# Altium PCB BW1098OAK.PcbDoc (part 3 of 3)
Units mm, origin at the board's own origin, x right, y up, seen from the top; angles counter-clockwise.
Board outline 100 x 46 mm, 4 copper layers (Top Copper, Signal Layer 1, Layer 1, Bottom Layer), stack 1.602 mm thick; 158 components, 124 nets, 594 pads, 384 vias.
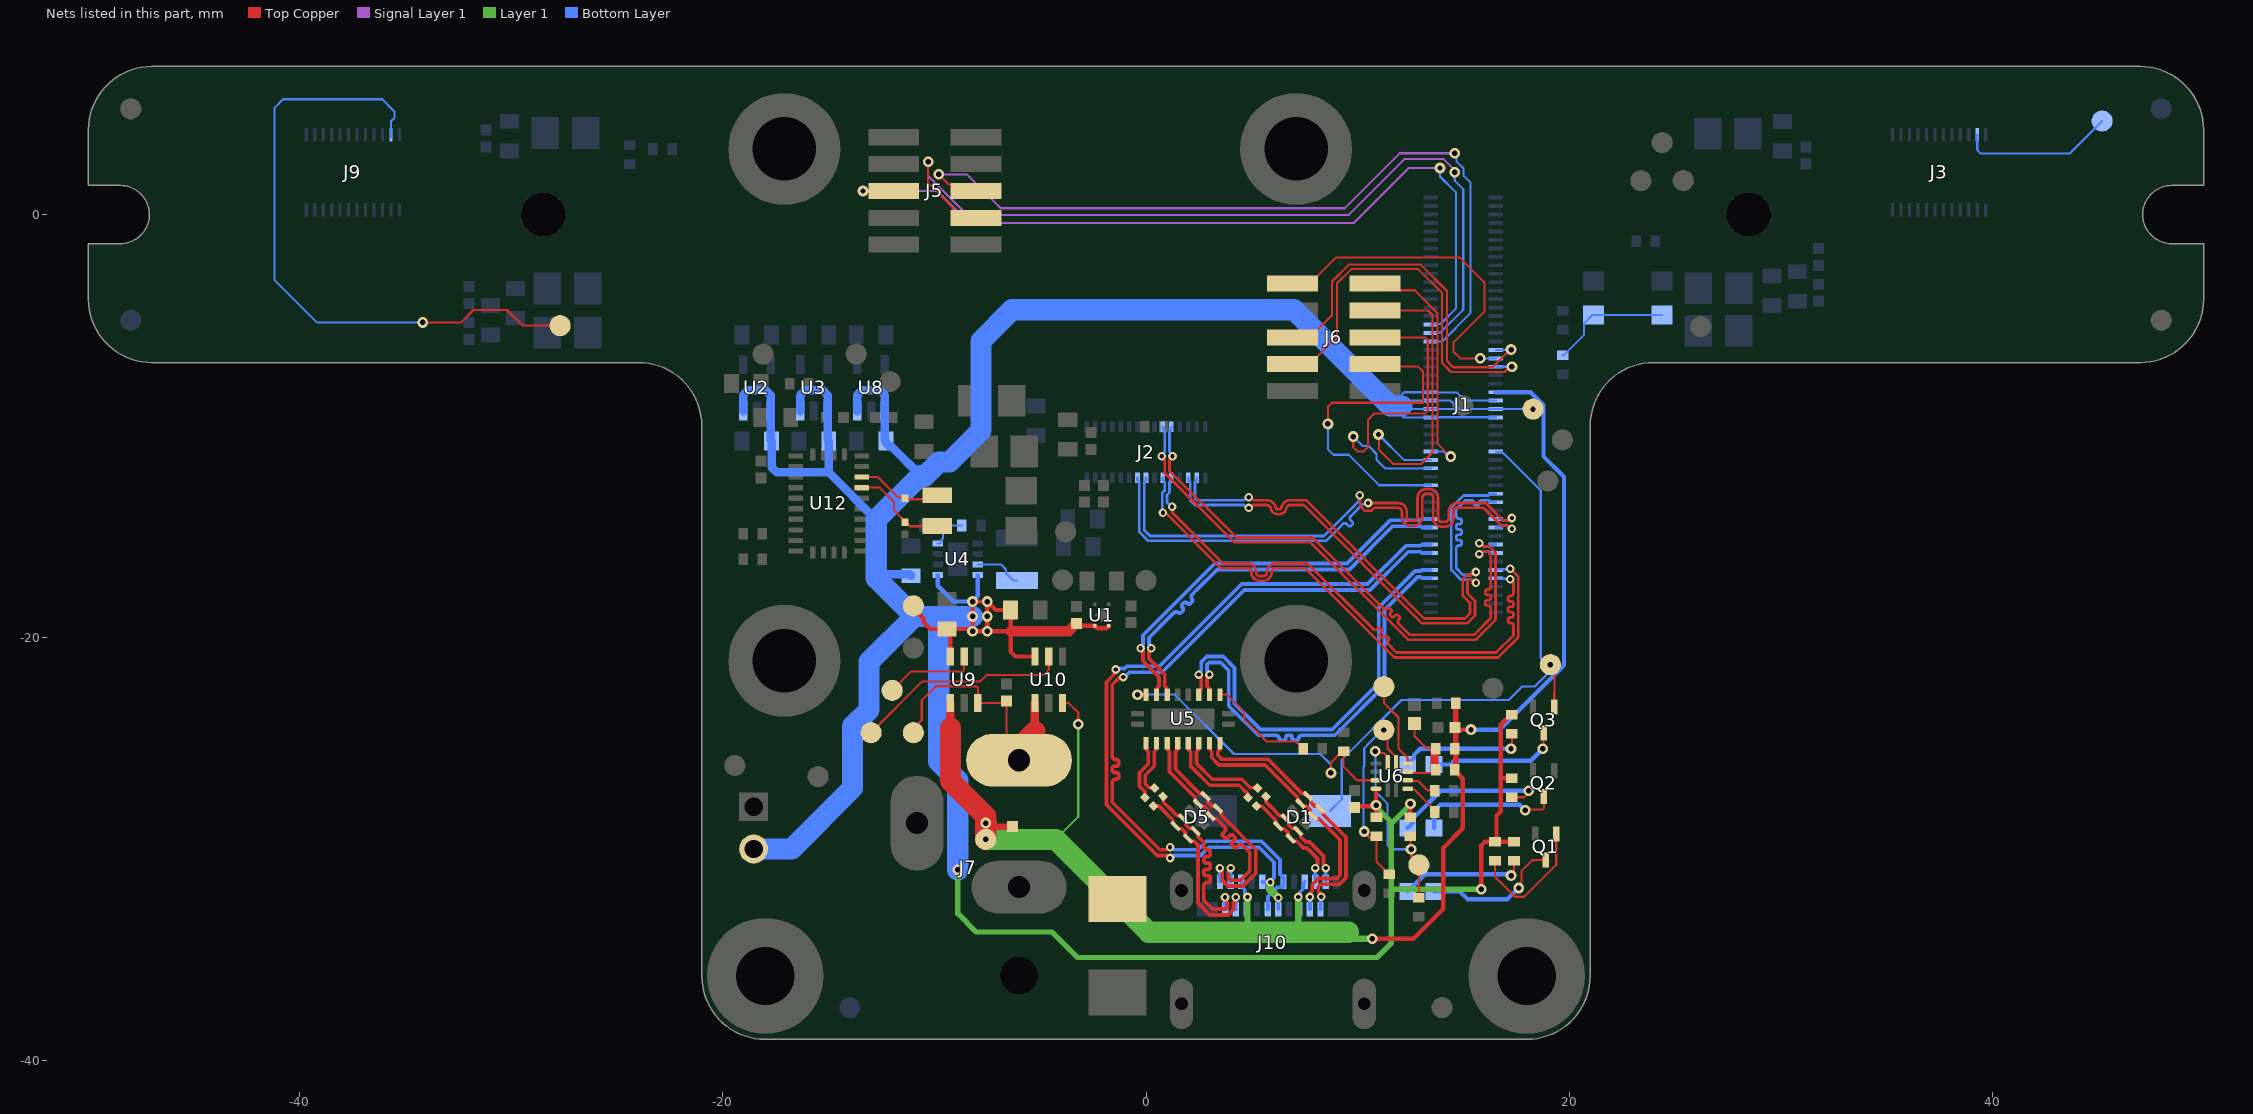
[diagram p5: the nets of this part, all layers, seen from the top]

## Via types
v1: diameter 0.508, hole 0.254, Top Copper to Bottom Layer, tented both sides, 235 vias
v2: diameter 0.406, hole 0.203, Top Copper to Bottom Layer, tented both sides, 131 vias
v3: diameter 0.508, hole 0.254, Top Copper to Bottom Layer, 16 vias
v4: diameter 0.406, hole 0.203, Top Copper to Bottom Layer, 2 vias

## Nets (pads, with @x,y where several pads share a name; then routed paths per layer and width w, separated by ;. In a path a pad name is that pad's centre, name@x,y a point inside that pad or via, vN(x,y) a via of type N, cw(c..) or ccw(c..) an arc to the next point about the centre after c; other vN are vias at no path point) (continued)
MIPI_RX4_D0_N: J1.9 J2.5 | length 26.8
  Top Copper w0.127: v2(1.233,-13.817) 1.253,-13.837 1.253,-14.1 3.651,-16.499 4.228,-16.499 4.801,-16.499 cw(c4.801,-16.905) 5.207,-16.905 5.207,-16.912 ccw(c5.385,-16.912) 5.385,-17.089 5.538,-17.089 ccw(c5.538,-16.912) 5.715,-16.912 5.715,-16.905 cw(c6.122,-16.905) 6.122,-16.499 6.3,-16.499 7.64,-16.499 10.696,-19.556 10.741,-19.6 ccw(c10.831,-19.511) 10.921,-19.6 10.955,-19.567 cw(c11.018,-19.63) 11.08,-19.567 11.134,-19.621 cw(c11.071,-19.683) 11.134,-19.746 11.074,-19.807 ccw(c11.137,-19.87) 11.074,-19.933 11.128,-19.987 ccw(c11.19,-19.924) 11.253,-19.987 11.28,-19.96 cw(c11.343,-20.022) 11.406,-19.96 11.46,-20.014 cw(c11.397,-20.076) 11.46,-20.139 ccw(c11.55,-20.229) 11.46,-20.319 11.596,-20.455 11.641,-20.5 11.853,-20.712 16.557,-20.712 17.371,-19.897 17.371,-19.499 17.371,-19.436 ccw(c17.244,-19.436) 17.244,-19.309 17.206,-19.309 cw(c17.206,-19.22) 17.117,-19.22 17.117,-19.144 cw(c17.206,-19.144) 17.206,-19.055 17.283,-19.055 ccw(c17.283,-18.966) 17.371,-18.966 17.371,-18.89 ccw(c17.283,-18.89) 17.283,-18.801 17.206,-18.801 cw(c17.206,-18.712) 17.117,-18.712 17.117,-18.636 cw(c17.206,-18.636) 17.206,-18.547 17.283,-18.547 ccw(c17.283,-18.458) 17.371,-18.458 17.371,-18.382 ccw(c17.283,-18.382) 17.283,-18.293 17.206,-18.293 cw(c17.206,-18.204) 17.117,-18.204 17.117,-18.128 cw(c17.206,-18.128) 17.206,-18.039 17.244,-18.039 ccw(c17.244,-17.912) 17.371,-17.912 17.371,-17.545 17.371,-17.398 v2(17.223,-17.25)
  Bottom Layer w0.127: J2.5@1.2,-12.438 1.2,-12.578 1.114,-12.664 1.114,-13.136 0.995,-13.255 0.995,-13.604 1.209,-13.817 v2(1.233,-13.817) ; J1.9@16.54,-17.2 16.565,-17.225 17.198,-17.225 v2(17.223,-17.25)
MIPI_RX4_D0_P: J1.11 J2.6 | length 26.6
  Top Copper w0.127: v2(0.8,-14.1) 0.853,-14.153 0.982,-14.153 3.556,-16.727 4.228,-16.727 4.801,-16.727 cw(c4.801,-16.905) 4.979,-16.905 4.979,-16.912 ccw(c5.385,-16.912) 5.385,-17.318 5.538,-17.318 ccw(c5.538,-16.912) 5.944,-16.912 5.944,-16.905 cw(c6.122,-16.905) 6.122,-16.727 6.3,-16.727 7.545,-16.727 11.758,-20.94 16.652,-20.94 17.6,-19.992 17.6,-17.104 17.24,-16.743 v2(17.223,-16.743)
  Bottom Layer w0.127: v2(0.8,-14.1) 0.775,-14.075 0.775,-13.706 0.767,-13.698 0.767,-13.16 0.886,-13.041 0.886,-12.664 0.8,-12.578 J2.6@0.8,-12.438 ; J1.11@16.54,-16.8 16.566,-16.773 17.192,-16.773 v2(17.223,-16.743)
MIPI_RX4_D1_N: J1.15 J2.26 | length 26.8
  Top Copper w0.127: v2(1.253,-11.434) 1.253,-11.509 1.114,-11.648 1.114,-12.117 4.269,-15.271 7.871,-15.271 10.988,-18.388 11.033,-18.433 11.224,-18.624 ccw(c11.314,-18.534) 11.404,-18.624 cw(c11.467,-18.687) 11.53,-18.624 11.584,-18.678 cw(c11.521,-18.741) 11.584,-18.804 11.557,-18.831 ccw(c11.619,-18.894) 11.557,-18.957 11.61,-19.01 ccw(c11.673,-18.948) 11.736,-19.01 11.798,-18.948 cw(c11.861,-19.011) 11.924,-18.948 11.978,-19.002 cw(c11.915,-19.065) 11.978,-19.128 11.943,-19.163 ccw(c12.033,-19.253) 11.943,-19.343 12.122,-19.522 12.167,-19.567 12.471,-19.871 15.505,-19.871 16.3,-19.077 16.3,-18.881 16.3,-18.62 ccw(c16.173,-18.62) 16.173,-18.493 16.135,-18.493 cw(c16.135,-18.405) 16.046,-18.405 16.046,-18.328 cw(c16.135,-18.328) 16.135,-18.239 16.211,-18.239 ccw(c16.211,-18.151) 16.3,-18.151 16.3,-18.074 ccw(c16.211,-18.074) 16.211,-17.985 16.135,-17.985 cw(c16.135,-17.897) 16.046,-17.897 16.046,-17.82 cw(c16.135,-17.82) 16.135,-17.731 16.173,-17.731 ccw(c16.173,-17.604) 16.3,-17.604 16.3,-17.287 16.3,-16.07 16.144,-15.914 15.964,-15.914 15.825,-16.053 v2(15.75,-16.053)
  Bottom Layer w0.127: J2.26@1.2,-10.038 1.2,-10.178 1.114,-10.264 1.114,-10.527 1.114,-11.22 1.253,-11.359 v2(1.253,-11.434) ; v2(15.75,-16.053) 15.825,-16.053 15.964,-15.914 16.194,-15.914 16.28,-16 J1.15@16.54,-16
MIPI_RX4_D1_P: J1.17 J2.25 | length 26.7
  Top Copper w0.127: v2(0.747,-11.434) 0.747,-11.509 0.886,-11.648 0.886,-12.211 4.175,-15.5 7.777,-15.5 12.377,-20.1 15.6,-20.1 16.529,-19.171 16.529,-15.976 16.238,-15.686 15.964,-15.686 15.825,-15.547 v2(15.75,-15.547)
  Bottom Layer w0.127: v2(0.747,-11.434) 0.747,-11.359 0.886,-11.22 0.886,-10.622 0.886,-10.264 0.8,-10.178 J2.25@0.8,-10.038 ; v2(15.75,-15.547) 15.825,-15.547 15.964,-15.686 16.194,-15.686 16.28,-15.6 J1.17@16.54,-15.6
MIPI_RX5_D0_N: J1.21 J2.8 | length 26.8
  Top Copper w0.127: v2(10.1,-13.276) 10.069,-13.307 10.069,-13.425 10.133,-13.489 10.133,-13.793 10.348,-14.008 10.652,-14.008 10.79,-13.87 11.322,-13.87 ; 11.417,-13.87 11.322,-13.87 ; v2(17.3,-14.853) 17.225,-14.853 17.086,-14.714 16.814,-14.714 15.97,-13.87 15.142,-13.87 14.897,-13.87 14.719,-13.87 ccw(c14.719,-14.047) 14.542,-14.047 14.542,-14.352 cw(c14.135,-14.352) 14.135,-14.759 13.983,-14.759 cw(c13.983,-14.352) 13.576,-14.352 13.576,-13.387 ccw(c13.399,-13.387) 13.399,-13.209 13.246,-13.209 ccw(c13.246,-13.387) 13.068,-13.387 13.068,-14.302 cw(c12.662,-14.302) 12.662,-14.708 12.51,-14.708 cw(c12.51,-14.302) 12.103,-14.302 12.103,-14.047 ccw(c11.925,-14.047) 11.925,-13.87 11.322,-13.87
  Bottom Layer w0.127: J2.8@0,-12.438 0,-12.578 -0.086,-12.664 -0.086,-14.914 0.2,-15.2 8.416,-15.2 10.069,-13.547 10.069,-13.307 v2(10.1,-13.276) ; J1.21@16.54,-14.8 16.8,-14.8 16.886,-14.714 17.086,-14.714 17.225,-14.853 v2(17.3,-14.853)
MIPI_RX5_D0_P: J1.23 J2.9 | length 26.7
  Top Copper w0.127: v2(10.5,-13.641) 11.322,-13.641 11.925,-13.641 cw(c11.925,-14.047) 12.332,-14.047 12.332,-14.302 ccw(c12.51,-14.302) 12.51,-14.48 12.662,-14.48 ccw(c12.662,-14.302) 12.84,-14.302 12.84,-13.387 cw(c13.246,-13.387) 13.246,-12.981 13.399,-12.981 cw(c13.399,-13.387) 13.805,-13.387 13.805,-14.352 ccw(c13.983,-14.352) 13.983,-14.53 14.135,-14.53 ccw(c14.135,-14.352) 14.313,-14.352 14.313,-14.047 cw(c14.719,-14.047) 14.719,-13.641 15.142,-13.641 16.064,-13.641 16.909,-14.486 17.086,-14.486 17.225,-14.347 v2(17.3,-14.347)
  Bottom Layer w0.127: J2.9@-0.4,-12.438 -0.4,-12.578 -0.314,-12.664 -0.314,-15.009 0.105,-15.429 8.458,-15.429 8.511,-15.429 9.309,-14.631 cw(c9.398,-14.72) 9.488,-14.631 9.576,-14.719 ccw(c9.639,-14.656) 9.702,-14.719 9.756,-14.665 ccw(c9.693,-14.602) 9.756,-14.539 9.668,-14.451 cw(c9.758,-14.361) 9.668,-14.271 9.713,-14.227 10.248,-13.692 10.449,-13.692 v2(10.5,-13.641) ; J1.23@16.54,-14.4 16.8,-14.4 16.886,-14.486 17.086,-14.486 17.225,-14.347 v2(17.3,-14.347)
MIPI_RX5_D1_N: J1.27 J2.2 | length 26.8
  Top Copper w0.127: v2(4.852,-13.367) 4.927,-13.367 5.066,-13.506 5.232,-13.506 5.681,-13.506 cw(c5.681,-13.982) 6.118,-13.793 ; 6.119,-13.795 cw(c6.013,-13.839) 6.128,-13.839 ccw(c6.226,-13.839) 6.226,-13.936 6.309,-13.936 ccw(c6.309,-13.839) 6.407,-13.839 cw(c6.521,-13.839) 6.414,-13.798 cw(c6.859,-13.969) 6.733,-13.51 cw(c6.763,-13.62) 6.763,-13.506 6.941,-13.506 7.558,-13.506 13.153,-19.1 15.081,-19.1 15.322,-18.859 15.322,-18.36 14.972,-18.01 14.972,-17.247 15.181,-17.039 15.386,-17.039 15.525,-16.9 v2(15.6,-16.9)
  Bottom Layer w0.127: J2.2@2.4,-12.438 2.4,-12.578 2.314,-12.664 2.314,-13.414 2.406,-13.506 4.638,-13.506 4.776,-13.367 v2(4.852,-13.367) ; v2(15.6,-16.9) 15.525,-16.9 15.386,-17.039 14.994,-17.039 14.668,-16.713 14.668,-16.094 14.668,-15.777 cw(c14.795,-15.777) 14.795,-15.65 14.833,-15.65 ccw(c14.833,-15.561) 14.922,-15.561 14.922,-15.485 ccw(c14.833,-15.485) 14.833,-15.396 14.757,-15.396 cw(c14.757,-15.307) 14.668,-15.307 14.668,-15.231 cw(c14.757,-15.231) 14.757,-15.142 14.833,-15.142 ccw(c14.833,-15.053) 14.922,-15.053 14.922,-14.977 ccw(c14.833,-14.977) 14.833,-14.888 14.757,-14.888 cw(c14.757,-14.799) 14.668,-14.799 14.668,-14.723 cw(c14.757,-14.723) 14.757,-14.634 14.833,-14.634 ccw(c14.833,-14.545) 14.922,-14.545 14.922,-14.469 ccw(c14.833,-14.469) 14.833,-14.38 14.795,-14.38 cw(c14.795,-14.253) 14.668,-14.253 14.668,-14.024 14.668,-13.954 15.063,-13.56 15.108,-13.514 15.38,-13.514 cw(c15.38,-13.641) 15.507,-13.641 15.507,-13.653 ccw(c15.596,-13.653) 15.596,-13.742 15.672,-13.742 ccw(c15.672,-13.653) 15.761,-13.653 15.761,-13.641 cw(c15.888,-13.641) 15.888,-13.514 16.131,-13.514 16.194,-13.514 16.28,-13.6 J1.27@16.54,-13.6
MIPI_RX5_D1_P: J1.29 J2.3 | length 26.7
  Top Copper w0.127: v2(4.852,-13.873) 4.927,-13.873 5.066,-13.734 5.232,-13.734 5.681,-13.734 cw(c5.681,-13.982) 5.9,-13.867 ccw(c6.226,-13.839) 6.226,-14.165 6.309,-14.165 ccw(c6.309,-13.839) 6.635,-13.864 cw(c6.859,-13.969) 6.78,-13.734 6.941,-13.734 7.463,-13.734 13.058,-19.329 15.176,-19.329 15.551,-18.954 15.551,-18.265 15.201,-17.915 15.201,-17.342 15.275,-17.267 15.385,-17.267 15.524,-17.406 v2(15.6,-17.406)
  Bottom Layer w0.127: J2.3@2,-12.438 2,-12.578 2.086,-12.664 2.086,-13.509 2.311,-13.734 4.638,-13.734 4.776,-13.873 v2(4.852,-13.873) ; v2(15.6,-17.406) 15.525,-17.406 15.386,-17.267 14.9,-17.267 14.439,-16.807 14.439,-13.86 15.014,-13.286 15.832,-13.286 16.194,-13.286 16.28,-13.2 J1.29@16.54,-13.2
MODULE_nRST: B1.2 J1.39 Q3.1 TP2.1 | length 28.4
  Top Copper w0.102: v1(19.119,-21.281) 19.172,-21.281 19.307,-21.416 19.307,-22.627 19.3,-22.634 Q3.1@19.3,-23.29
  Bottom Layer w0.102: B1.2@8.7,-28.2 9.253,-27.647 9.253,-25.926 9.253,-25.778 12.077,-22.954 12.225,-22.954 17.146,-22.954 17.785,-22.316 18.384,-22.316 19.189,-21.511 19.284,-21.416 19.149,-21.281 v1(19.119,-21.281) ; J1.39@16.54,-11.2 16.566,-11.227 16.827,-11.227 16.947,-11.347 16.958,-11.347 18.66,-13.049 18.66,-20.983 19.021,-21.343 19.131,-21.343 19.166,-21.379 v1@19.166,-21.489
NetC40_2: C40.2 D6.1 J7.1 TP6.1 U9.3 U10.1 | length 12.8
  Top Copper w0.102: TP6.1@-11,-24.5 -11,-24.3 -10.6,-23.9 -10.6,-22.968 -9.932,-22.3 -8.024,-22.3 -7.95,-22.374 U9.3@-7.95,-23.1 C40.2@-6.6,-23.1 ; C40.2@-6.6,-23 C40.2@-6.6,-23.1 ; J7.1@-6,-25.8 -6.3,-25.5 -6.6,-25.2 C40.2@-6.6,-23.1
  Top Copper w0.4: -5.25,-24.45 U10.1@-5.25,-23.1
  Top Copper w1: J7.1@-6,-25.8 -6,-25.2 -5.25,-24.45
NetD2_1: D2.1 Q1.3 | length 6.6
  Top Copper w0.102: v1(17.62,-31.84) 17.62,-31.737 17.746,-31.612 17.746,-31.045 18.257,-30.533 18.378,-30.533 18.401,-30.51 Q1.3@18.9,-30.51
  Bottom Layer w0.203: D2.1@13.625,-32 14.837,-32 15.204,-32.368 17.093,-32.368 v1(17.62,-31.84)
NetD2_2: D2.2 R32.1 | length 6
  Top Copper w0.102: v1(17.262,-31.255) 17.262,-31.152 17.4,-31.014 R32.1@17.4,-30.55
  Bottom Layer w0.203: D2.2@12.375,-32 13.185,-31.19 16.99,-31.19 16.997,-31.197 17.203,-31.197 v1(17.262,-31.255)
NetD3_1: D3.1 Q2.3 | length 6.8
  Top Copper w0.102: v1(17.93,-28.164) 17.955,-28.138 18.73,-28.138 18.812,-28.056 18.812,-27.522 Q2.3@18.8,-27.51
  Bottom Layer w0.203: D3.1@13.625,-29 13.625,-28.18 13.903,-27.902 17.658,-27.902 17.92,-28.164 v1(17.93,-28.164)
NetD3_2: D3.2 R33.1 | length 7.5
  Top Copper w0.102: R33.1@17.3,-27.55 17.875,-27.55 18.09,-27.335 v1(18.09,-27.242)
  Bottom Layer w0.203: D3.2@12.375,-29 12.673,-28.702 12.673,-28.508 13.94,-27.242 v1(18.09,-27.242)
NetD4_1: D4.1 Q3.3 | length 6.2
  Top Copper w0.102: v1(18.756,-25.261) 18.8,-25.217 Q3.3@18.8,-24.51
  Bottom Layer w0.203: D4.1@13.625,-26 14.391,-26 14.568,-25.823 18.194,-25.823 v1(18.756,-25.261)
NetD4_2: D4.2 R34.1 | length 6
  Top Copper w0.102: v1(17.256,-25.261) 17.3,-25.217 R34.1@17.3,-24.55
  Bottom Layer w0.203: D4.2@12.375,-26 12.673,-25.702 12.673,-25.555 12.967,-25.261 v1(17.256,-25.261)
NetL1_1: L1.1 U4.7 | length 2.3
  Bottom Layer w0.102: U4.7@-7.95,-16.55 -6.85,-16.55 -6.616,-16.784 -6.616,-16.963 -6.28,-17.3 L1.1@-6.1,-17.3
NetQ1_1: Q1.1 R31.1 | length 6.1
  Top Copper w0.102: R31.1@16.5,-30.55 16.5,-31.31 17.448,-32.258 17.888,-32.258 19.4,-30.746 Q1.1@19.4,-29.29
NetR4_2: R4.2 R24.1 R26.1 | length 5.9
  Bottom Layer w0.102: R4.2@19.7,-6.65 19.75,-6.65 20.713,-5.687 20.713,-5.137 21.1,-4.75 R26.1@21.2,-4.75 ; R26.1@21.15,-4.75 R26.1@21.2,-4.75 ; 22.8,-4.75 22.75,-4.75 ; R24.1@24.4,-4.75 22.75,-4.75 ; R26.1@21.2,-4.75 22.75,-4.75
NetR7_1: R7.1 R8.2 U4.4 | length 1.9
  Bottom Layer w0.102: U4.4@-9.85,-15.55 -9.74,-15.55 -9.664,-15.474 -9.664,-15.364 -9.6,-15.3 R8.2@-9.6,-14.7 R7.1@-8.7,-14.7
NetR12_1: R12.1 U5.2 | length 5.2
  Top Copper w0.102: U5.2@3.5,-22.7 3.825,-22.7 4.627,-23.502 4.627,-23.841 5.705,-24.918 7.08,-24.918 7.212,-25.05 7.262,-25.05 7.424,-25.212 R12.1@7.424,-25.262
NetR13_1: R13.1 U5.9 U6.11 | length 15.2
  Top Copper w0.102: v1(-0.4,-22.7) U5.9@0,-22.7 ; v1(8.743,-26.401) 8.743,-25.918 9.293,-25.368 R13.1@9.343,-25.368 9.343,-26.117 9.976,-26.75 U6.11@10.875,-26.75
  Bottom Layer w0.102: v1(-0.4,-22.7) 1.359,-22.7 4.162,-25.503 8.241,-25.503 8.743,-26.005 v1(8.743,-26.401)
NetTP20_1: TP20.1 U9.5 | length 4.4
  Top Copper w0.102: TP20.1@-12,-22.5 -11.1,-21.6 -8.674,-21.6 -8.6,-21.526 U9.5@-8.6,-20.9
NetTP24_1: TP24.1 U10.5 | length 10.3
  Top Copper w0.102: TP24.1@-13,-24.5 -10.573,-22.073 -7.833,-22.073 -7.536,-21.777 -4.856,-21.777 -4.595,-21.515 -4.595,-20.905 U10.5@-4.6,-20.9
OUT1: R18.1 R20.1 TP23.1 U6.7 | length 10.9
  Top Copper w0.102: v1(10.323,-29.168) 10.323,-29.223 10.578,-29.478 10.778,-29.478 10.9,-29.6 10.9,-30.6 11.288,-30.988 11.288,-31.038 11.45,-31.2 R18.1@11.5,-31.2 ; v1(11.248,-24.372) 11.42,-24.543 11.42,-25.244 11.812,-25.637 11.812,-25.887 U6.7@11.825,-25.9
  Bottom Layer w0.102: v1(10.323,-29.168) 10.282,-29.127 10.282,-26.108 10.317,-26.073 10.317,-25.227 10.544,-25 ; 10.505,-25.04 10.544,-25 ; v1(11.248,-24.372) 11.173,-24.372 10.544,-25 ; v1@11.411,-24.327 11.403,-24.319 11.226,-24.319 10.544,-25
OUT2: R19.1 R21.1 TP22.1 U6.8 | length 10.3
  Top Copper w0.102: v1(10.843,-25.376) 10.921,-25.453 11.228,-25.453 11.425,-25.65 U6.8@11.425,-25.9 ; R21.1@12.5,-29.4 12.5,-30.007 v1@12.533,-30.04 ; 12.533,-30.38 v1@12.533,-30.04 ; v1(12.533,-30.007) v1@12.533,-30.04 ; R19.1@12.9,-32.3 12.9,-30.675 12.569,-30.344 12.569,-30.076 v1@12.533,-30.04
  Bottom Layer w0.102: v1(10.843,-25.376) 10.843,-27.277 11.423,-27.857 11.423,-29.836 11.594,-30.007 v1(12.533,-30.007)
RXB_N: D1.2 D1.9 J10.B10 U5.18 | length 13
  Top Copper w0.178: U5.18@3,-25 3.036,-25.036 3.036,-25.324 3.11,-25.398 3.11,-25.682 3.457,-26.029 5.642,-26.029 7.179,-27.566 7.179,-27.722 7.437,-27.98 7.583,-27.98 7.588,-27.975 7.775,-28.162 7.77,-28.167 7.77,-28.313 8.028,-28.571 8.184,-28.571 9.176,-29.562 9.176,-31.235 9.019,-31.391 8.15,-31.391 7.86,-31.68 7.86,-31.991 7.794,-32.058 7.794,-32.222 v2(7.75,-32.266)
  Bottom Layer w0.178: J10.B10@7.75,-32.85 v2(7.75,-32.266)
RXB_P: D1.1 D1.10 J10.B11 U5.19 | length 13.1
  Top Copper w0.178: U5.19@3.5,-25 3.464,-25.036 3.464,-25.324 3.39,-25.398 3.39,-25.567 3.573,-25.75 5.758,-25.75 7.377,-27.369 7.533,-27.369 7.791,-27.627 7.791,-27.773 7.786,-27.778 7.972,-27.964 7.977,-27.959 8.123,-27.959 8.381,-28.217 8.381,-28.373 9.455,-29.447 9.455,-31.35 9.135,-31.67 8.265,-31.67 8.14,-31.796 8.14,-31.991 8.206,-32.058 8.206,-32.222 8.173,-32.255 8.176,-32.258 8.181,-32.253 8.186,-32.258 v2(8.28,-32.258)
  Bottom Layer w0.178: J10.B11@8.25,-32.85 8.265,-32.835 8.265,-32.273 8.25,-32.258 v2(8.28,-32.258)
RXC_N: D5.2 D5.9 J10.A10 U5.14 | length 11.3
  Top Copper w0.178: U5.14@1,-25 1.036,-25.036 1.036,-25.324 1.11,-25.398 1.11,-26.347 2.329,-27.566 2.329,-27.722 2.587,-27.98 2.733,-27.98 2.738,-27.975 2.925,-28.162 2.92,-28.167 2.92,-28.313 3.178,-28.571 3.334,-28.571 3.425,-28.662 3.488,-28.725 3.703,-28.94 cw(c3.577,-29.066) 3.703,-29.192 3.647,-29.247 ccw(c3.723,-29.323) 3.647,-29.398 3.712,-29.463 ccw(c3.788,-29.387) 3.863,-29.463 3.969,-29.357 cw(c4.044,-29.432) 4.12,-29.357 4.185,-29.421 cw(c4.109,-29.497) 4.185,-29.572 4.079,-29.678 ccw(c4.154,-29.754) 4.079,-29.829 4.143,-29.894 ccw(c4.219,-29.818) 4.294,-29.894 4.35,-29.838 cw(c4.475,-29.964) 4.601,-29.838 4.813,-30.05 4.876,-30.113 4.908,-30.145 4.908,-31.038 4.471,-31.474 3.994,-31.474 3.89,-31.37 3.89,-31.076 4.004,-30.962 v2(4.004,-30.9)
  Bottom Layer w0.178: J10.A10@4,-31.55 4,-30.904 v2(4.004,-30.9)
RXC_P: D5.1 D5.10 J10.A11 U5.15 | length 11.2
  Top Copper w0.178: U5.15@1.5,-25 1.464,-25.036 1.464,-25.324 1.39,-25.398 1.39,-26.231 2.527,-27.369 2.683,-27.369 2.941,-27.627 2.941,-27.773 2.936,-27.778 3.122,-27.964 3.127,-27.959 3.273,-27.959 3.531,-28.217 3.531,-28.373 5.187,-30.029 5.187,-31.153 4.587,-31.753 3.878,-31.753 3.61,-31.486 3.61,-31.076 3.496,-30.962 v2(3.496,-30.9)
  Bottom Layer w0.178: v2(3.496,-30.9) 3.5,-30.904 J10.A11@3.5,-31.55
SD_HST0_CD: J1.59 J6.7 | length 18.5
  Top Copper w0.102: J6.7@6.928,-7.077 7.748,-7.077 9.023,-5.801 9.023,-3.26 9.701,-2.582 12.873,-2.582 14.002,-3.712 14.002,-7.023 14.423,-7.444 16.952,-7.444 17.197,-7.2 v1(17.3,-7.2)
  Bottom Layer w0.102: J1.59@16.54,-7.2 v1(17.3,-7.2)
SD_HST0_CLK: J1.61 J6.1 | length 16.1
  Top Copper w0.102: J6.1@6.928,-3.267 7.748,-3.267 8.978,-2.037 14.837,-2.037 16,-3.2 16,-4.6 14.533,-6.067 14.533,-6.473 14.86,-6.8 v1(15.8,-6.8)
  Bottom Layer w0.102: v1(15.8,-6.8) J1.61@16.54,-6.8
SD_HST0_CMD: J1.63 J6.5 | length 17.7
  Top Copper w0.102: J6.5@6.928,-5.807 7.748,-5.807 8.796,-4.758 8.796,-3.166 9.607,-2.355 12.967,-2.355 14.229,-3.618 14.229,-6.929 14.517,-7.217 16.385,-7.217 17.217,-6.385 v1(17.26,-6.385)
  Bottom Layer w0.102: J1.63@16.54,-6.4 17.246,-6.4 v1(17.26,-6.385)
SD_HST0_D0: J1.40 J6.2 | length 11.6
  Top Copper w0.102: J6.2@10.828,-3.267 11.145,-3.583 12.704,-3.583 13.775,-4.654 13.775,-10.813 v1(14.408,-11.446)
  Bottom Layer w0.102: J1.40@13.46,-11.2 14.06,-11.2 14.305,-11.446 v1(14.408,-11.446)
SD_HST0_D1: J1.38 J6.4 | length 16
  Top Copper w0.102: J6.4@10.828,-4.537 13.337,-4.537 13.548,-4.748 13.548,-11.252 13,-11.8 11.7,-11.8 11.017,-11.117 11.017,-10.427 v1(10.99,-10.4)
  Bottom Layer w0.102: v1(10.99,-10.4) 12.19,-11.6 J1.38@13.46,-11.6
SD_HST0_D2: J1.36 J6.6 | length 16
  Top Copper w0.102: v1(9.8,-10.5) 9.8,-11 10,-11.2 10.3,-11.2 10.5,-11 10.5,-9.7 10.8,-9.4 13.2,-9.4 13.321,-9.279 13.321,-5.921 13.207,-5.807 J6.6@10.828,-5.807
  Bottom Layer w0.102: v1(9.8,-10.5) 10.248,-10.948 10.525,-10.948 10.9,-11.323 10.9,-11.6 11.3,-12 J1.36@13.46,-12
SD_HST0_D3: J1.32 J6.8 | length 16
  Top Copper w0.102: v1(8.6,-9.9) 8.6,-9.1 8.8,-8.9 13.094,-8.9 13.094,-7.425 12.85,-7.181 10.932,-7.181 J6.8@10.828,-7.077
  Bottom Layer w0.102: v1(8.6,-9.9) 8.6,-11.1 8.858,-11.358 9.579,-11.358 11.021,-12.8 J1.32@13.46,-12.8
SPI_CS_0: J1.70 J5.5 | length 39
  Top Copper w0.102: v1@-13.422,1.073 v1(-13.382,1.113) J5.5@-11.932,1.113
  Signal Layer 1 w0.102: v1(-13.382,1.113) -9.877,1.113 -8.362,-0.402 9.815,-0.402 12.417,2.2 v1(13.9,2.2)
  Bottom Layer w0.102: J1.70@13.46,-5.2 13.487,-5.173 13.926,-5.173 14.65,-4.45 14.65,1.05 13.9,1.8 v1(13.9,2.2)
SPI_SIO2: J1.66 J5.6 | length 38.5
  Top Copper w0.102: v1(-9.8,1.9) -9.319,1.419 -8.338,1.419 J5.6@-8.032,1.113
  Signal Layer 1 w0.102: v1(-9.8,1.9) -8.47,1.9 -8.333,1.763 -6.941,0.371 -6.87,0.3 9.4,0.3 12,2.9 v1(14.6,2.9)
  Bottom Layer w0.102: J1.66@13.46,-6 14.001,-5.999 15.35,-4.65 15.35,1.495 15.017,1.827 15.017,2.173 14.673,2.518 14.673,2.862 v1@14.635,2.9
SPI_SIO3: J1.68 J5.8 | length 40.5
  Top Copper w0.102: v1(-10.3,2.5) -10.3,1.5 -9.135,0.335 -9.135,0.159 -8.819,-0.157 J5.8@-8.032,-0.157
  Signal Layer 1 w0.102: v1(-10.3,2.5) -10.3,1.821 -8.463,-0.016 9.584,-0.016 12.217,2.617 14.073,2.617 14.6,2.09 v1(14.6,2)
  Bottom Layer w0.102: J1.68@13.46,-5.6 13.487,-5.573 13.926,-5.573 15,-4.5 15,1.2 14.6,1.6 v1(14.6,2)
STRB2: J9.14 TP18.1 | length 30.4
  Top Copper w0.102: v1(-34.2,-5.1) -32.378,-5.1 -31.792,-4.514 -30.211,-4.514 -29.475,-5.25 TP18.1@-27.7,-5.25
  Bottom Layer w0.102: J9.14@-35.7,3.64 -35.7,4.409 -35.527,4.582 -35.527,4.863 -36.113,5.449 -40.799,5.449 -41.2,5.049 -41.2,-3.1 -39.2,-5.1 v1(-34.2,-5.1)
STROBE1: J3.14 TP27.1 | length 7.3
  Bottom Layer w0.102: J3.14@39.3,3.775 39.3,3.049 39.472,2.877 43.661,2.877 TP27.1@45.206,4.422